# Altium PCB Generic_PCB.PcbDoc (part 2 of 2)
Units mm, origin at the board's own origin, x right, y up, seen from the top; angles counter-clockwise.
Board outline 112.55 x 100 mm, 4 copper layers (Component Side, Ground Plane, Power Plane, Solder Side), stack 0.844 mm thick; 115 components, 86 nets, 591 pads, 337 vias.
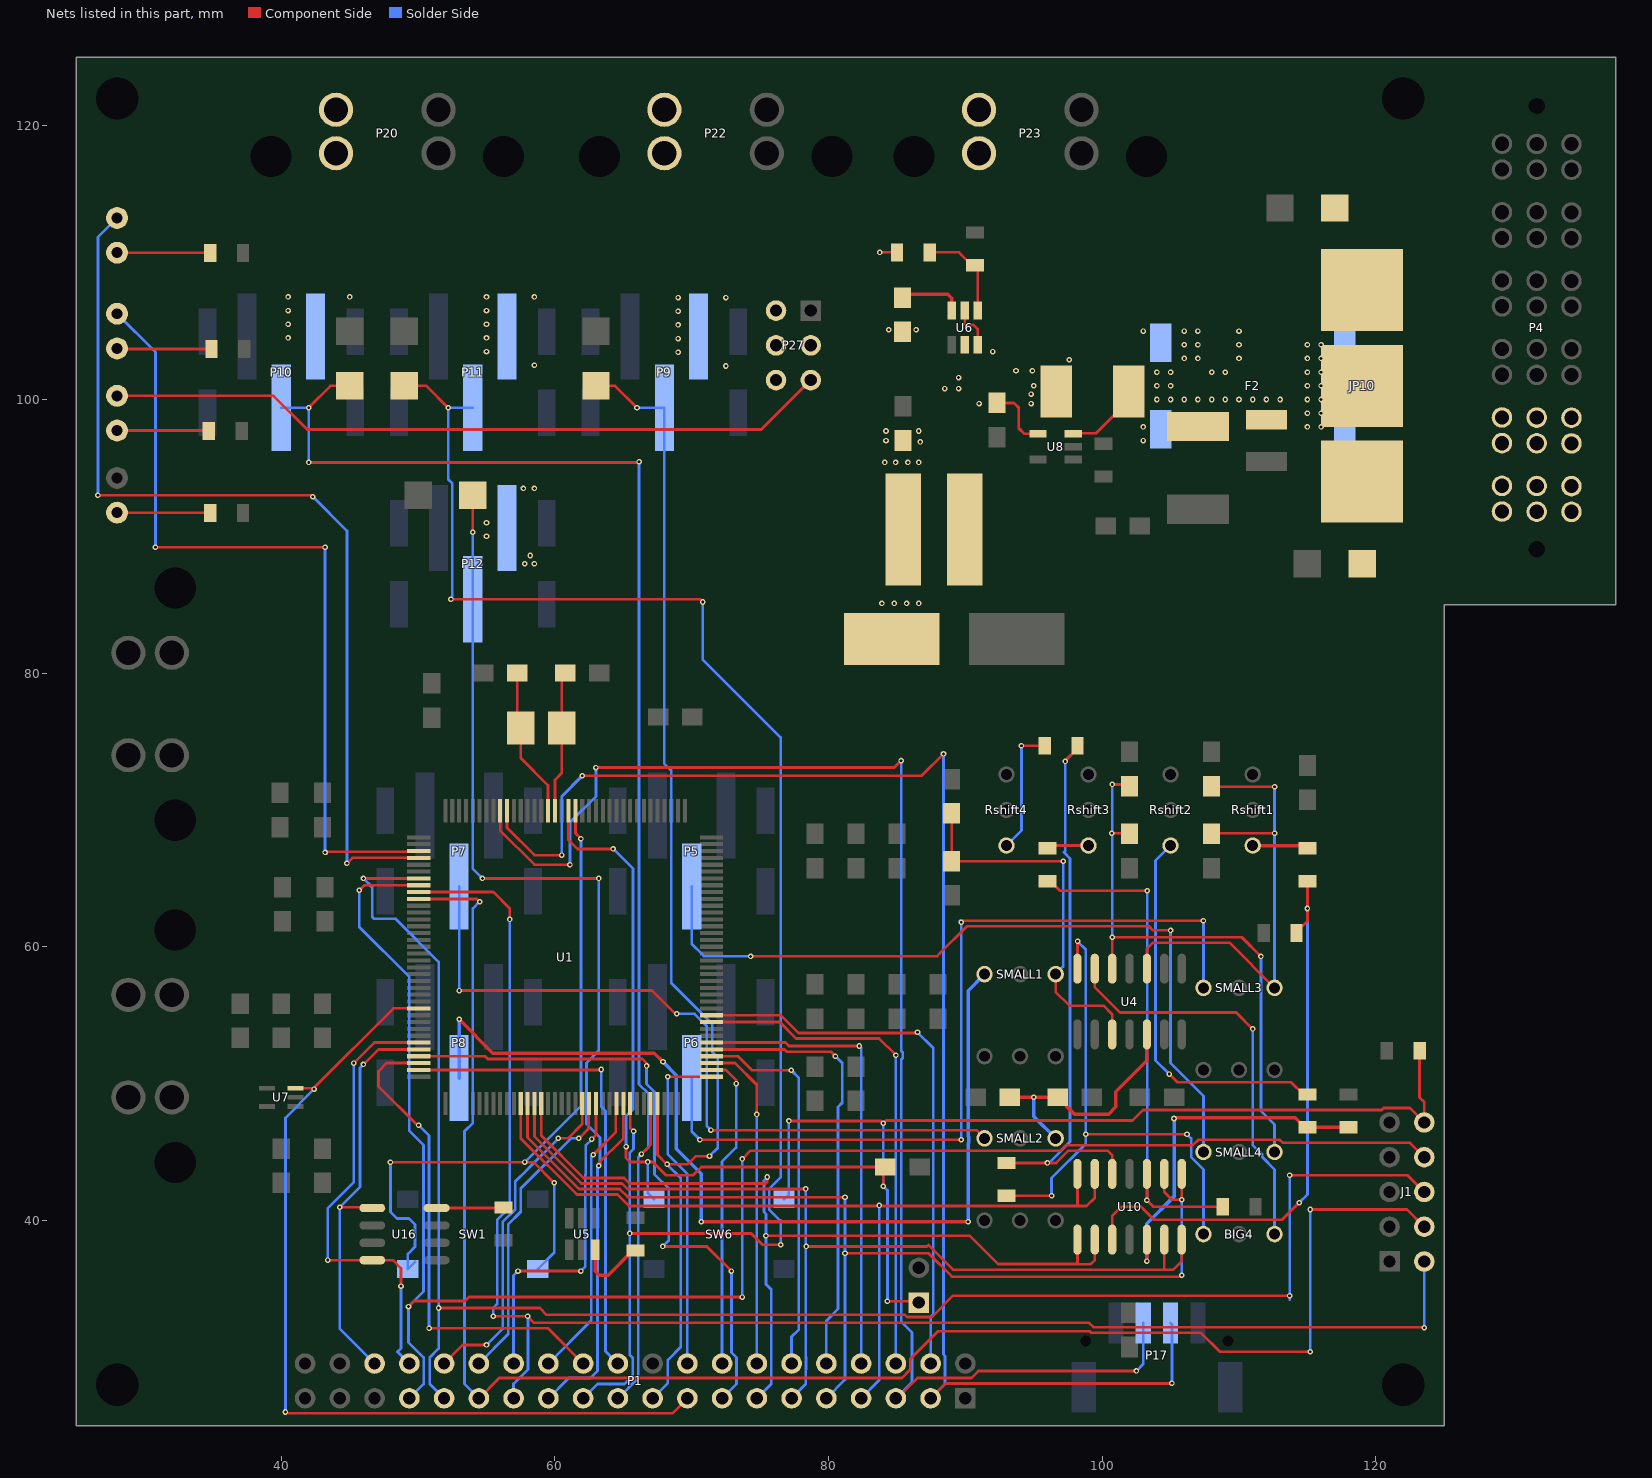
[diagram p4: the nets of this part, all layers, seen from the top]

## Via types
v1: diameter 0.406, hole 0.203, Component Side to Solder Side, 337 vias

## Nets (pads, with @x,y where several pads share a name; then routed paths per layer and width w, separated by ;. In a path a pad name is that pad's centre, name@x,y a point inside that pad or via, vN(x,y) a via of type N, cw(c..) or ccw(c..) an arc to the next point about the centre after c; other vN are vias at no path point) (continued)
NetBIG4_1: BIG4.1 R14.1 U4.14 | length 40.8
  Component Side w0.2: R14.1@92.7,41.8 R14.1@93,41.8 93.1,41.7 93.2,41.8 v1(96.3,41.8) ; U4.14@98.19,58.4 v1@98.19,60.4 ; v1(98.8,46.3) v1(106.2,46.3)
  Solder Side w0.2: v1(96.3,41.8) 96.3,43.1 98.8,45.6 v1(98.8,46.3) 98.8,59.8 v1(98.2,60.4) ; v1(106.2,46.3) 106.5,46 106.5,44.627 107.4,43.727 BIG4.1@107.4,39
NetBIG4_3: BIG4.3 U4.13 | length 29.8
  Component Side w0.2: U4.13@99.46,58.4 99.46,57.04 101.3,55.2 109.8,55.2 v1(111,54)
  Solder Side w0.2: v1(111,54) 111,45.5 111.7,44.8 111.7,44.627 112.6,43.727 BIG4.3@112.6,39
NetC31_2: C31.2 U1.92 Y2.1 | length 10.4
  Component Side w0.2: U1.92@60,69.95 60,72.2 60.5,72.7 Y2.1@60.5,76 60.5,79.75 C31.2@60.75,80
NetC32_2: C32.2 U1.93 Y2.2 | length 11
  Component Side w0.2: C32.2@57.25,80 57.25,76.25 Y2.2@57.5,76 57.5,73.8 59.5,71.8 U1.93@59.5,69.95
NetC200_2: C200.2 C201.2 F2.1 Rsense.2 U8.3 | length 5.7
  Component Side w0.2: U8.3@97.895,97.493 97.895,97.528 99.528,97.528 101.95,99.95 Rsense.2@101.95,100.578
  other v1: 103,97 103,98 104,100 105,100 106,100 107,100 108,100 109,100 110,100 111,100 112,100 113,100 104,101 105,101 104,102 105,102 108,102 109,102 106,103 107,103 110,103 106,104 107,104 110,104 103,105 106,105 107,105 110,105
NetCbst_1: Cbst.1 L1.1 U6.2
  other v1: 88.5,100.8 89.5,100.8 89.5,101.6 84.4,105.1 86.4,105.1
NetCbst_2: Cbst.2 U6.6 | length 4.7
  Component Side w0.254: Cbst.2@85.4,107.455 85.645,107.7 88.7,107.7 89,107.4 U6.6@89,106.51
NetCONN_2: CONN.2 R103.2 | length 6.8
  Component Side w0.2: CONN.2@28,110.73 34.77,110.73 R103.2@34.8,110.7
NetCout_2: Cout.2 F1.1 L1.2 Rfbb.2 | length 1.3
  Component Side w0.2: v1(83.745,110.755) Rfbb.2@85,110.755
  other v1: 83.9,85.1 84.8,85.1 85.7,85.1 86.6,85.1 84.1,95.4 84.9,95.4 85.8,95.4 86.6,95.4 86.7,96.9 84.2,97 84.2,97.7 86.6,97.7
NetD1_1: D1.1 D2.2 SMALL4.3 U4.12 | length 42.3
  Component Side w0.2: v1(100.7,68.3) 101.95,68.3 D2.2@102,68.25 ; U4.12@100.73,58.4 v1(100.73,60.7) 101,60.7 104.789,60.7 104.792,60.697 105.208,60.697 105.211,60.7 110.2,60.7 v1(111.6,59.3) ; v1(100.73,71.87) 101.88,71.87 D1.1@102,71.75
  Solder Side w0.2: v1(100.73,60.7) v1(100.73,71.87) ; v1(111.6,59.3) 111.6,48 112.6,47 SMALL4.3@112.6,45
NetD3_1: D3.1 D4.2 SMALL3.3 U4.10 | length 36.3
  Component Side w0.2: U4.10@103.27,58.4 103.27,59.87 103.7,60.3 104.623,60.3 104.626,60.297 105.374,60.297 105.377,60.3 109.3,60.3 SMALL3.3@112.6,57 ; D4.2@108,68.25 108.05,68.3 v1(112.6,68.3) ; D3.1@108,71.75 108,71.7 111.373,71.7 v1(112.6,71.7)
  Solder Side w0.2: SMALL3.3@112.6,57 v1(112.6,68.3) v1(112.6,71.7)
NetD5_1: D5.1 D6.2 SMALL2.3 U4.5 | length 18.4
  Component Side w0.254: D6.2@93.25,49 v1(95,49) D5.1@96.75,49 97.975,47.775 100.475,47.775 101,48.3 101,49.4 103.27,51.67 U4.5@103.27,53.6
  Solder Side w0.254: v1(95,49) 95,47.6 SMALL2.3@96.6,46
NetD7_1: D7.1 D8.2 SMALL1.3 U4.3 | length 27.7
  Component Side w0.2: D7.1@89,69.75 D8.2@89,66.25 v1(97.15,66.25) ; SMALL1.3@96.6,58 96.6,56.7 97.6,55.7 100.1,55.7 100.73,55.07 U4.3@100.73,53.6
  Solder Side w0.2: SMALL1.3@96.6,58 97.15,58.55 v1(97.15,66.25)
NetF2_2: F2.2 JP10.2
  other v1: 115,98 116,98 115,99 116,99 115,100 116,100 115,101 116,101 115,102 116,102 115,103 116,103 115,104 116,104
NetP5_2: P5.2 SMALL4.1 | length 57.8
  Component Side w0.2: v1(74.3,59.3) 87.911,59.3 88.111,59.5 90.111,61.5 103.4,61.5 103.7,61.2 v1(105,61.2)
  Solder Side w0.2: P5.2@70,64.4 70,60.2 70.7,59.5 70.9,59.3 v1(74.3,59.3) ; v1(105,61.2) 105,51.5 107.4,49.1 SMALL4.1@107.4,45
NetP6_2: P6.2 SMALL3.1 | length 62.5
  Component Side w0.2: v1(70.6,45.9) v1(89.7,45.9) ; v1(89.7,61.8) 89.8,61.9 v1(107.4,61.9)
  Solder Side w0.2: P6.2@70,50.4 70,46.5 v1(70.6,45.9) ; v1@89.6,61.9 v1(89.7,61.8) v1(89.7,45.9) ; SMALL3.1@107.4,57 v1(107.4,61.9)
NetP7_2: P7.2 SMALL2.1 | length 54.7
  Component Side w0.2: v1(53,56.8) 67.1,56.8 v1@68.85,55.05 ; v1(71.4,46.6) 78.889,46.6 78.892,46.597 79.308,46.597 79.311,46.6 83.789,46.6 83.792,46.597 84.208,46.597 84.211,46.6 90.8,46.6 SMALL2.1@91.4,46
  Solder Side w0.2: v1(53,56.8) P7.2@53,64.4 ; v1(68.9,55.1) 70.2,55.1 71.1,54.2 71.1,46.9 v1(71.4,46.6)
NetP8_2: P8.2 SMALL1.1 | length 71.5
  Component Side w0.254: v1(53,54.7) 55.47,52.23 67.27,52.23 v1(67.9,51.6) ; v1(70.7,39.9) v1(90.2,39.9)
  Solder Side w0.254: P8.2@53,50.4 v1(53,54.7) ; v1(67.9,51.6) 68.875,50.625 68.875,45.225 70.7,43.4 v1(70.7,39.9) ; v1(90.2,39.9) 90.2,45.65 90.23,45.68 90.23,46.12 90.2,46.15 90.2,56.8 SMALL1.1@91.4,58
NetPWR_2: PWR.2 R100.1 | length 6.8
  Component Side w0.2: PWR.2@28,91.73 34.77,91.73 R100.1@34.8,91.7
NetR2_2: R2.2 R45.2 U10.10 | length 37.9
  Component Side w0.2: R45.2@96,64.8 96.2,64.8 96.9,64.1 v1(103.3,64.1) ; U10.10@103.27,43.4 v1(103.27,41.47) 103.74,41 R2.2@108.8,41
  Solder Side w0.2: v1(103.27,41.47) 103.3,41.5 v1(103.3,64.1)
NetR4_2: R4.2 R44.2 U10.5 | length 25.9
  Component Side w0.254: v1(103.27,37.03) U10.5@103.27,38.6 ; v1(105.25,47.45) 105.3,47.5 114.1,47.5 114.8,46.8 R44.2@115,46.8 R4.2@118,46.8
  Solder Side w0.254: v1(103.27,37.03) 103.27,39.77 105.25,41.75 v1(105.25,47.45)
NetR9_2: R9.2 R16.2 U10.3 | length 42.5
  Component Side w0.2: U10.3@100.73,38.6 100.73,40.33 101.4,41 102.85,41 103.8,40.05 113.15,40.05 v1(114.4,41.3) ; R9.2@114.2,61 114.2,61.1 115,61.9 v1(115,62.8) R16.2@115,64.8
  Solder Side w0.2: v1(114.4,41.3) 115,41.9 v1(115,62.8)
NetR14_2: R14.2 R46.2 U10.12 | length 41.5
  Component Side w0.2: R14.2@93,44.2 96.638,44.2 97.538,45.1 100.4,45.1 100.73,44.77 U10.12@100.73,43.4 ; v1(97.3,73.55) 97.3,73.6 98.2,74.5 R46.2@98.2,74.7
  Solder Side w0.2: v1@96,44.1 97.653,45.753 97.653,66.458 97.2,66.911 97.3,67.011 v1(97.3,73.55)
  other v1: 96,44.2
NetR16_1: R16.1 Rshift1.3 | length 4.1
  Component Side w0.254: Rshift1.3@111,67.4 114.8,67.4 R16.1@115,67.2
NetR44_1: R44.1 Rshift2.3 | length 28.3
  Component Side w0.2: v1(104.9,50.7) 105.5,50.1 113.8,50.1 114.7,49.2 R44.1@115,49.2
  Solder Side w0.2: v1(104.9,50.7) 103.9,51.7 103.9,66.3 Rshift2.3@105,67.4
NetR45_1: R45.1 Rshift3.3 | length 3.1
  Component Side w0.2: R45.1@96,67.2 96.2,67.4 Rshift3.3@99,67.4
NetR46_1: R46.1 Rshift4.3 | length 9.5
  Component Side w0.2: v1(94.1,74.7) R46.1@95.8,74.7
  Solder Side w0.2: Rshift4.3@93,67.4 94.1,68.5 v1(94.1,74.7)
NetR48_2: R48.2 U5.3 | length 5.4
  Component Side w0.254: U5.3@62.95,37.85 62.95,36.3 63.25,36 63.9,36 65.7,37.8 R48.2@65.9,37.8
NetR101_2: R101.2 VIN.2 | length 6.7
  Component Side w0.2: VIN.2@28,97.73 34.67,97.73 R101.2@34.7,97.7
NetR102_2: R102.2 U16.8 | length 4.9
  Component Side w0.2: U16.8@51.35,40.905 56.205,40.905 R102.2@56.25,40.95
NetR104_2: R104.2 USER.2 | length 6.9
  Component Side w0.2: USER.2@28,103.73 28.03,103.7 R104.2@34.9,103.7
NetRfbb_1: Rfbb.1 Rfbt.2 U6.4 | length 7.1
  Component Side w0.2: Rfbb.1@87.4,110.755 89.545,110.755 90.495,109.805 Rfbt.2@90.7,109.805 90.9,109.605 U6.4@90.9,106.51
PA0/U0RX: P1.18 U1.37 | length 24.8
  Component Side w0.2: v1(68.25,50.5) U1.37@71.45,50.5
  Solder Side w0.2: v1(68.25,50.5) 68.25,44.83 69.68,43.4 P1.18@69.68,29.54
PA1/U0TX: P1.16 U1.38 | length 23.2
  Component Side w0.2: U1.38@71.45,51 72.5,51 73.25,50.25 v1(73.25,50)
  Solder Side w0.2: P1.16@72.22,29.54 72.22,44.3 73.25,45.33 v1(73.25,50)
PA2/SSI0CLK: P1.14 U1.39 | length 24.3
  Component Side w0.2: U1.39@71.45,51.5 73.164,51.5 74.75,49.914 v1(74.75,47.75)
  Solder Side w0.2: P1.14@74.76,29.54 v1@74.76,47.75
PA3/SSI0FSS: P1.12 U1.40 | length 28.2
  Component Side w0.2: U1.40@71.45,52 73.371,52 74.396,50.975 v1(77.275,50.975)
  Solder Side w0.2: v1@77.25,51 v1(77.275,50.975) 77.825,50.425 77.825,32.025 77.3,31.5 P1.12@77.3,29.54
PA4/SSI0RX: P1.10 U1.41 | length 32.4
  Component Side w0.2: U1.41@71.45,52.5 76.784,52.5 76.934,52.35 76.939,52.35 76.961,52.328 80.172,52.328 v1(80.5,52)
  Solder Side w0.2: P1.10@79.84,29.54 79.84,32.666 80.697,33.523 80.697,48.297 81,48.6 81,51.5 v1(80.5,52)
PA5/SSI0TX: P1.8 U1.42 | length 34.2
  Component Side w0.2: U1.42@71.45,53 76.85,53 77.1,52.75 v1(82.25,52.75)
  Solder Side w0.2: v1(82.25,52.75) 82.38,52.62 P1.8@82.38,29.54
PA6/I2C1SCL: P1.6 U1.45 | length 37
  Component Side w0.2: U1.45@71.45,54.5 76.434,54.5 77.634,53.3 83.7,53.3 v1(84.92,52.08)
  Solder Side w0.2: P1.6@84.92,29.54 v1(84.92,52.08)
PA7/I2C1SDA: P1.4 U1.46 | length 40.4
  Component Side w0.2: U1.46@71.45,55 76.5,55 77.8,53.7 86.45,53.7 v1(86.5,53.75)
  Solder Side w0.2: v1(86.5,53.75) 87.65,52.6 87.65,33.126 87.46,32.936 P1.4@87.46,29.54
PB2/I2C0SCL: P1.3 P17.2 U1.99 | length 109.7
  Component Side w0.2: U1.99@56.5,69.95 56.5,68.7 58.5,66.7 v1(60.5,66.7) ; v1(62,72.5) 86.8,72.5 v1(88.4,74.1) ; P1.3@87.46,27 88.55,28.09 105.09,28.09 v1(105.1,28.1)
  Solder Side w0.2: v1(60.5,66.7) 60.5,71 v1(62,72.5) ; P1.3@87.46,27 88.51,28.05 88.51,30.085 88.4,30.195 v1(88.4,74.1) ; P17.2@105,32.5 105.1,32.4 v1(105.1,28.1)
PB3/I2C0SDA: P1.5 P17.3 U1.100 | length 107.9
  Component Side w0.2: U1.100@56,69.95 56,68.5 58.5,66 v1(61.1,66) ; v1(63,73.1) 84.8,73.1 v1(85.3,73.6) ; P1.5@84.92,27 85,27 86.49,28.49 90.435,28.49 90.945,29 v1(102.5,29)
  Solder Side w0.2: v1(61.1,66) 61.1,69.1 63,71 v1(63,73.1) ; P1.5@84.92,27 86.1,28.18 86.1,31.8 85.32,32.58 85.32,51.769 85.423,51.872 85.423,52.288 85.32,52.391 85.32,73.72 85.3,73.74 v1(85.3,73.6) ; v1(102.5,29) 103,29.5 P17.3@103,32.5
PD4/AIN7: P1.15 U1.141 | length 46.8
  Component Side w0.2: U1.141@50.05,52 54.9,52 55.097,51.803 66.397,51.803 66.697,51.503 v1(66.697,51.297) ; v1(67.875,38.1) 71.1,38.1 v1(72.9,36.3)
  Solder Side w0.2: v1(66.697,51.297) 66.697,49.969 67.281,49.384 67.281,43.368 68.325,42.324 68.325,38.55 v1(67.875,38.1) ; P1.15@72.22,27 73.27,28.05 73.27,29.975 72.9,30.345 v1(72.9,36.3)
PD5/AIN6: P1.24 U1.142 | length 35.9
  Component Side w0.2: v1(50.038,46.962) 49.938,46.962 47.1,49.8 47.1,50.9 47.7,51.5 U1.142@50.05,51.5 ; v1(50.8,32.118) 59.482,32.118 P1.24@62.06,29.54
  Solder Side w0.2: v1(50.038,46.962) 50.8,46.2 v1(50.8,32.118)
PD6/AIN5: P1.22 U1.143 | length 35.4
  Component Side w0.2: U1.143@50.05,51 63.4,51 63.394,51.006 v1(63.394,51.032)
  Solder Side w0.2: v1(63.394,51.032) 63.394,48.309 63.7,48.003 63.703,48 63.703,30.437 P1.22@64.6,29.54
PE0/AIN3: P1.13 U1.15 U10.1 U10.2 | length 66
  Component Side w0.2: U1.15@59,48.55 59,46.197 62.097,43.1 65.063,43.1 65.461,42.702 75.402,42.702 75.525,42.825 v1(75.525,43.175) ; v1(75.425,38.875) 90.325,38.875 92.39,36.81 98.19,36.81 ; U10.1@98.19,38.6 98.19,36.81 ; U10.2@99.46,38.6 99.46,37.1 99.16,36.8 98.2,36.8 98.19,36.81
  Solder Side w0.2: P1.13@74.76,27 75.81,28.05 75.81,34.95 75.425,35.335 v1(75.425,38.875) 75.425,40.46 75.275,40.61 75.275,42.925 v1(75.525,43.175)
PE1/AIN2: P1.11 U1.14 U10.6 U10.7 | length 71.9
  Component Side w0.2: U1.14@58.5,48.55 58.5,46.131 61.931,42.7 64.897,42.7 65.297,42.3 65.299,42.302 v1(78.329,42.302) ; v1(78.375,38.1) 80.989,38.1 80.992,38.103 81.408,38.103 81.411,38.1 87.2,38.1 87.3,38.2 89.1,36.4 104.5,36.4 ; U10.6@104.54,38.6 104.54,36.44 104.5,36.4 ; U10.7@105.81,38.6 105.81,37.01 105.2,36.4 104.5,36.4
  Solder Side w0.2: P1.11@77.3,27 78.329,28.029 78.329,29.084 78.35,29.105 78.35,29.996 78.329,30.017 v1(78.329,42.302)
PE2/AIN1: P1.9 U1.13 U10.8 U10.9 | length 78.4
  Component Side w0.2: U1.13@58,48.55 58,46.066 61.766,42.3 64.731,42.3 65.331,41.7 v1(81.2,41.7) ; v1(81.2,37.6) 87.3,37.6 89.01,35.89 105.7,35.89 v1(105.81,36) ; U10.9@104.54,43.4 104.54,42.06 105.09,41.51 v1(105.81,41.51) U10.8@105.81,43.4
  Solder Side w0.2: P1.9@79.84,27 81.2,28.36 v1(81.2,41.7) ; v1(105.81,36) v1(105.81,41.51)
PE3/AIN0: P1.7 U1.12 U10.13 U10.14 | length 65.5
  Component Side w0.2: U1.12@57.5,48.55 57.5,46 61.6,41.9 64.566,41.9 65.416,41.05 98.19,41.05 ; U10.14@98.19,43.4 98.19,41.05 ; U10.13@99.46,43.4 99.46,41.66 98.85,41.05 98.19,41.05
  Solder Side w0.2: P1.7@82.38,27 83.7,28.32 v1(83.7,41.1)
PE4/CAN0RX: P1.34 U1.139 U16.4 | length 33.6
  Component Side w0.2: v1(43.4,37.1) 43.405,37.095 U16.4@46.65,37.095 48.155,37.095 48.75,36.5 v1(48.75,35.2) ; v1(45.3,51.5) 46.8,53 U1.139@50.05,53
  Solder Side w0.2: v1(43.4,37.1) 43.4,40.9 45.3,42.8 v1(45.3,51.5) ; v1(48.75,35.2) 48.75,30.65 48.5,30.4 P1.34@49.36,29.54
PE5/CAN0TX: P1.36 U1.140 U16.1 | length 30.5
  Component Side w0.2: v1(44.28,40.97) 46.585,40.97 U16.1@46.65,40.905 ; v1(46,51.4) 47.1,52.5 U1.140@50.05,52.5
  Solder Side w0.2: v1(46,51.4) 45.75,51.15 45.75,42.44 v1(44.28,40.97) 44.28,32.08 P1.36@46.82,29.54
PE7/AIN20_TEMP: P1.17 U1.134 U7.3 | length 65.5
  Component Side w0.2: 40.5,25.9 68.58,25.9 P1.17@69.68,27 ; U7.3@41.041,49.66 42.36,49.66 48.2,55.5 U1.134@50.05,55.5
  Solder Side w0.2: v1(40.3,26) 40.3,47.5 v1(42.4,49.6)
PH0: D10.2 P1.19 P9.2 U1.32 | length 88.8
  Component Side w0.2: D10.2@63,101 64.4,101 v1(66,99.4) ; U1.32@67.5,48.55 67.5,44.8 v1(68.2,44.1) 69.7,44.1 70.3,44.7 v1(71.3,44.7)
  Solder Side w0.2: v1(66,99.4) P9.2@68,99.4 68,73.374 68.5,72.874 68.5,57.366 71.5,54.366 71.5,52.326 71.903,51.923 71.903,45.303 v1(71.3,44.7) ; P1.19@67.14,27 68.25,28.11 68.25,29.8 69.2,30.75 69.2,43.1 v1(68.2,44.1) v1@68.2,44.2
PH1: D11.2 P1.21 P10.2 U1.31 | length 107.5
  Component Side w0.2: v1(42,95.4) 66.1,95.4 v1(66.15,95.45) ; v1(42,99.4) 43.6,101 D11.2@45,101 ; v1(66.325,44.85) 67,45.525 U1.31@67,48.55
  Solder Side w0.2: P10.2@40,99.4 v1(42,99.4) v1(42,95.4) ; P1.21@64.6,27 66.09,28.49 66.09,44.615 v1(66.325,44.85) 66.825,45.35 66.825,49.275 66.15,49.95 v1(66.15,95.45)
PH2: D12.2 P1.23 P11.2 U1.28 | length 124.3
  Component Side w0.2: D12.2@49,101 50.6,101 v1(52.2,99.4) ; v1(52.4,85.4) 70.6,85.4 v1(70.8,85.2) ; v1(65.475,39.05) 74.35,39.05 75.175,38.225 v1(76.5,38.225) ; U1.28@65.5,48.55 65.5,47.25 65.5,46.775 v1(65.75,46.525) v1@65.775,46.525
  Solder Side w0.2: v1(52.4,85.4) 52.5,85.5 52.5,93.874 52.2,94.174 v1(52.2,99.4) P11.2@54,99.4 ; P1.23@62.06,27 63.11,28.05 65.084,28.05 65.69,28.656 65.69,29.95 65.475,30.165 v1(65.475,39.05) 65.475,44.95 65.75,45.225 v1(65.75,46.525) ; v1(70.8,85.2) 70.8,81 76.5,75.3 76.5,43.149 75.675,42.324 75.675,40.776 76.451,40 76.5,40 v1(76.5,38.225)
PH3: D13.2 P1.25 P12.2 U1.27 | length 83.3
  Component Side w0.2: v1(54,90.3) D13.2@54,93 ; v1(54.7,65) v1(63.2,65) ; v1(63.2,44) 63.2,44.2 65,46 U1.27@65,48.55
  Solder Side w0.2: v1(54,90.3) P12.2@54,85.4 54,65.7 v1(54.7,65) ; P1.25@59.52,27 61.01,28.49 62.605,28.49 63.11,28.995 v1@63.11,44 ; v1(63.2,44) 63.303,44.103 63.303,46.058 62.3,47.061 62.3,51.5 63.2,52.4 v1(63.2,65)
PH4: P1.26 U1.26 | length 21.1
  Component Side w0.2: v1(62.8,44.8) 64.45,46.45 64.45,48.5 U1.26@64.5,48.55
  Solder Side w0.2: P1.26@59.52,29.54 62.65,32.67 62.65,44.65 v1(62.8,44.8)
PH5: P1.28 U1.23 | length 24.2
  Component Side w0.2: v1(57.3,36.3) v1(61.9,36.3) ; v1(62.7,45.95) 63,46.25 U1.23@63,48.55
  Solder Side w0.2: P1.28@56.98,29.54 56.98,35.98 v1(57.3,36.3) ; v1(61.9,36.3) 62.225,36.625 62.225,43.326 62.25,43.351 62.25,45.475 62.7,45.925 v1(62.7,45.95)
PH6: P1.30 U1.22 | length 22.7
  Component Side w0.2: v1(61.75,46) 62.45,46.7 62.45,48.5 U1.22@62.5,48.55
  Solder Side w0.2: P1.30@54.44,29.54 56.58,31.68 56.58,39.711 57.501,40.633 57.501,42.326 61.176,46 v1(61.75,46)
PH7: P1.32 U1.21 | length 24.6
  Component Side w0.2: P1.32@51.9,29.54 53.26,30.9 v1(55,30.9) ; v1(60.25,46) 60.95,46 62,47.05 U1.21@62,48.55
  Solder Side w0.2: v1(55,30.9) 56.18,32.08 56.18,39.877 57.101,40.799 57.101,42.851 57.95,43.7 57.966,43.7 58.2,43.934 58.2,43.95 v1(60.25,46)
Pin1: P20.1 P22.1 P27.3
PK4: CONN.1 U1.112 | length 69.9
  Component Side w0.2: v1(26.6,93) 42.2,93 v1(42.3,92.9) ; v1(44.8,66.1) 45.2,66.5 U1.112@50.05,66.5
  Solder Side w0.2: v1(26.6,93) 26.6,111.87 CONN.1@28,113.27 ; v1(42.3,92.9) 44.8,90.4 v1(44.8,66.1) v1@44.711,66.1
PK5: U1.111 USER.1 | length 60
  Component Side w0.2: v1(30.8,89.2) v1(43.2,89.2) ; v1(43.2,66.9) 43.25,66.95 50,66.95 U1.111@50.05,67
  Solder Side w0.2: USER.1@28,106.27 30.8,103.47 v1(30.8,89.2) ; v1(43.2,89.2) v1(43.2,66.9) v1@43.3,66.8
PM0_SW: SW1.1 U1.89 | length 57
  Component Side w0.2: v1(47.975,44.25) 48.35,44.25 48.361,44.261 v1(57.8,44.261) 58.439,44.261 v1(59.95,42.75) ; U1.89@61.5,69.95 61.5,68.3 v1(61.9,67.9)
  Solder Side w0.2: v1(47.975,44.25) 47.975,40.625 48.45,40.15 49.325,40.15 49.337,40.138 49.343,40.138 49.775,39.706 49.775,38.075 49.25,37.55 SW1.1@49.25,36.45 SW1.1@49.775,36.975 ; v1(57.8,44.261) 61.9,48.361 v1(61.9,67.9) ; SW1.1@58.75,36.45 59.95,37.65 v1(59.95,42.75)
PWM_PWR1: P9.1 P10.1 P11.1 P12.1 P27.2 P27.4 P27.6
  other v1: 57.8,88 58.5,88 58.2,88.6 55,90 55,91 57.7,93.5 58.5,93.5 72.5,102.452 58.5,102.5 69,103.452 55,103.5 69,104.452 40.5,104.5 55,104.5 69,105.452 40.5,105.5 55,105.5 69,106.452 40.5,106.5 55,106.5 69,107.452 72.5,107.452 40.5,107.5 45,107.5 55,107.5 58.5,107.5
T_R\E\S\E\T: C30.2 J1.10 JP1.1 R28.1 SW6.2 U1.90 | length 127.4
  Component Side w0.2: U1.90@61,69.95 61,67.8 61.65,67.15 v1(64.25,67.15) ; v1(65.2,45.4) 65.2,44.575 65.498,44.277 v1(66.778,44.277) 67.148,44.277 68.125,43.3 70.1,43.3 70.7,43.9 C30.2@84.15,43.9 84,43.75 v1(84,42.5) ; v1(77.1,47.275) 83.825,47.275 v1(84,47.1) 84.2,47.3 102.2,47.3 102.975,48.075 120.43,48.075 120.565,48.21 122.49,48.21 J1.10@123.54,47.16 123.54,48.66 123.2,49 R28.1@123.2,52.4 ; v1(84.3,34.1) 86.5,34.1 JP1.1@86.6,34
  Solder Side w0.2: v1(64.25,67.15) 64.274,67.15 65.7,65.724 65.7,48.126 65.2,47.626 v1(65.2,45.4) ; v1(66.778,44.277) 66.778,42.022 SW6.2@67.25,41.55 ; SW6.2@76.75,41.55 77.1,41.9 v1(77.1,47.275) ; v1(84,47.1) v1(84,42.5) 84.3,42.2 v1(84.3,34.1) v1@84.3,34
T_TCK/SWDCLK: J1.4 P1.29 U1.118 | length 124.9
  Component Side w0.2: U1.118@50.05,63.5 54.3,63.5 v1(54.5,63.3) ; P1.29@54.44,27 55.93,28.49 85.355,28.49 85.97,29.105 85.97,29.87 88,31.9 99.09,31.9 99.19,31.8 107.2,31.8 108.6,30.4 v1@115.3,30.4 ; v1(115.2,40.8) 122.28,40.8 J1.4@123.54,39.54
  Solder Side w0.2: P1.29@54.44,27 53.39,28.05 53.39,46.516 54,47.126 54,62.8 v1(54.5,63.3) ; v1(115.2,30.4) v1(115.2,40.8)
T_TDI: J1.8 P1.33 U1.116 | length 130.7
  Component Side w0.2: v1(45.7,64.126) 46.071,64.497 46.208,64.497 46.211,64.5 U1.116@50.05,64.5 ; v1(49.3,33.7) 49.703,34.103 53.419,34.103 53.716,34.4 v1(73.7,34.4) ; v1(73.7,44.5) 74.3,45.1 96.973,45.1 97.373,45.5 106.627,45.5 107.027,45.9 112.973,45.9 113.203,45.67 122.49,45.67 J1.8@123.54,44.62
  Solder Side w0.2: v1(45.7,64.126) 45.7,61.46 49.36,57.8 49.36,46.55 50.4,45.51 50.4,34.8 v1(49.3,33.7) 49.3,31.085 50.41,29.975 50.41,28.05 P1.33@49.36,27 ; v1(73.7,34.4) v1(73.7,44.5)
T_TDO/SWO: J1.6 P1.31 U1.115 | length 128.5
  Component Side w0.2: v1(46,65) U1.115@50.05,65 ; v1(51.5,33.6) 58.9,33.6 59.4,33.1 85.576,33.1 85.726,32.95 87.55,32.95 89.1,34.5 v1(113.7,34.5) ; v1(113.7,43.3) 122.32,43.3 J1.6@123.54,42.08
  Solder Side w0.2: v1(46,65) 46.65,64.35 46.65,62.176 46.776,62.05 48.341,62.05 51.5,58.891 51.5,58.6 51.5,30.625 50.85,29.975 50.85,28.05 P1.31@51.9,27 ; 113.7,34.2 v1(113.7,43.3)
T_TMS/SWDIO: J1.2 P1.27 U1.117 | length 117.1
  Component Side w0.2: U1.117@50.05,64 55.5,64 56.7,62.8 v1(56.7,62) ; v1(55.5,33) v1(58,33) 58.482,32.518 99.038,32.518 99.356,32.2 123.5,32.2 v1(123.54,32.16)
  Solder Side w0.2: v1(55.5,33) 55.5,33.6 55.78,33.88 55.78,40.043 56.7,40.963 v1(56.7,62) ; P1.27@56.98,27 56.98,28.055 58.03,29.105 58.03,32.97 v1(58,33) ; v1(123.54,32.16) J1.2@123.54,37
Vcrit: D14.2 JP10.1 P4.1
Vin: Cin.2 P23.1 P27.5 Rsense.1 U6.3 U6.5 U8.4 VIN.1 | length 61.3
  Component Side w0.2: VIN.1@28,100.27 39.43,100.27 41.9,97.8 75.08,97.8 P27.5@78.7,101.42 ; U6.5@89.95,106.51 89.95,105.55 90.045,105.455 90.6,105.455 90.9,105.155 U6.3@90.9,104 ; Cin.2@92.3,99.753 93.547,99.753 93.9,99.4 93.9,97.9 94.307,97.493 U8.4@95.305,97.493
  other v1: 91,99.7 94.8,99.7 94.8,100.4 95,101 93.7,102.1 94.9,102.1 97.6,102.9 92,103.5
VNC: D15.2 JP10.3 P4.2
pads on no net: J1.3 J1.7 P4.0 P4.3 P5.0 P6.0 P7.0 P8.0 P9.0 P10.0 P11.0 P12.0 P17.0 P19.0 P20.0 P21.0 P22.0 P23.0 U1.1 U1.2 U1.3 U1.4 U1.11 U1.16 U1.17 U1.18 U1.19 U1.20 U1.33 U1.34 U1.35 U1.36 U1.47 U1.48 U1.50 U1.51 U1.52 U1.53 U1.54 U1.55 U1.58 U1.59 U1.60 U1.61 U1.62 U1.63 U1.64 U1.65 U1.68 U1.69 U1.70 U1.71 U1.73 U1.76 U1.80 U1.81 U1.82 U1.83 U1.84 U1.85 U1.86 U1.87 U1.88 U1.95 U1.96 U1.97 U1.98 U1.103 U1.104 U1.105 U1.106 U1.107 U1.108 U1.109 U1.110 U1.119 U1.120 U1.121 U1.122 U1.123 U1.127 U1.128 U1.129 U1.130 U1.131 U1.132 U1.133 U1.135 U1.136 U7.1

## Polygon pours and split planes (outlines as drawn)
+3V3 on Component Side "+3V3_L01_P136" (solid, pour order 136): 96,86 96,80 89,80 89,86
Pin1 on Component Side "PIN1_L01_P114" (solid, pour order 114): 37,125 37,113 77,113 77,103 81,103 81,125
+3V3 on Component Side "+3V3_L01_P106" (solid, pour order 106): 96.1,96.1 96.1,94.6 93.8,94.6 93.8,96.1
GND on Component Side "GND_L01_P104" (solid, pour order 104): 90.4,98.3 90.4,96 101.6,96 101.6,98.3
GND on Component Side "GND_L01_P102" (solid, pour order 102): 89.6,104.805 86.705,104.805 86.703,104 84.1,104 84.1,98.2 88,98.2 88,102 89.5,102 89.5,103 89.6,103.1
NetCout_2 on Component Side "NETCOUT_2_L01_P100" (solid, pour order 100): 89,98.2 89,80.1 83.5,80.1 83.5,98.2
Vin on Component Side "VIN_L01_P096" (solid, pour order 96): 90.5,98.5 90.5,105 91.5,105 91.5,104 98,104 98,98.5
NetCbst_1 on Component Side "NETCBST_1_L01_P094" (solid, pour order 94): 88,86 88,102 90.4,102 90.4,96 92,96 92,86
NetCbst_1 on Component Side "NETCBST_1_L01_P026" (solid, pour order 26): 84.1,106.005 86.7,106.005 86.7,104 84.1,104
NetCbst_1 on Component Side "NETCBST_1_L01_P022" (solid, pour order 22): 89.5,102.905 90.4,102.905 90.4,101 89.5,101
NetCbst_1 on Component Side "NETCBST_1_L01_P014" (solid, pour order 14): 89.6,104.805 90.3,104.805 90.3,100 89.6,100
NetF2_2 on Component Side "NETF2_2_L01_P176" (solid, pour order 176): 114.114,104.83 114.114,96.83 123.114,96.83 123.114,104.83
NetC200_2 on Component Side "NETC200_2_L01_P178" (solid, pour order 178): 114,97 114,106 98,106 98,98.296 98.296,98 102,98 102,95 110,95 110,97
Vcrit on Component Side "VCRIT_L01_P188" (solid, pour order 188): 137.55,95 124,95 124,97 115,97 115,90 117,90 117,85 137.55,85
VNC on Component Side "VNC_L01_P190" (solid, pour order 190): 137.55,95 137.55,115 115,115 115,105 123,105 123,95
GND on Component Side "GND_L01_P194" (solid, pour order 194): 137.55,125 137.55,85 125,85 125,25 25,25 25,125
NetCout_2 on Solder Side "NETCOUT_2_L04_P138" (solid, pour order 138): 86,112 86,106 84,106 84,98 88,98 88,84 83,84 83,112
GND on Solder Side "GND_L04_P130" (solid, pour order 130): 67,108 61,108 61,100 67,100
GND on Solder Side "GND_L04_P128" (solid, pour order 128): 53,108 53,98 47,98 47,108
GND on Solder Side "GND_L04_P126" (solid, pour order 126): 39,108 39,101 33,101 33,108
GND on Solder Side "GND_L04_P124" (solid, pour order 124): 53,94 53,87 47,87 47,94
PWM_PWR1 on Solder Side "PWM_PWR1_L04_P122" (solid, pour order 122): 60,94 60,87 53,87 53,94
PWM_PWR1 on Solder Side "PWM_PWR1_L04_P120" (solid, pour order 120): 74,108 74,101 67,101 67,108
PWM_PWR1 on Solder Side "PWM_PWR1_L04_P118" (solid, pour order 118): 46,108 46,101 39,101 39,108
PWM_PWR1 on Solder Side "PWM_PWR1_L04_P116" (solid, pour order 116): 60,108 60,101 53,101 53,108
NetCbst_1 on Solder Side "NETCBST_1_L04_P112" (solid, pour order 112): 84.1,102.6 84.1,100.2 90.4,100.2 90.4,102.6
NetCbst_1 on Solder Side "NETCBST_1_L04_P110" (solid, pour order 110): 86.7,106 86.7,102.6 84.1,102.6 84.1,106
NetC200_2 on Solder Side "NETC200_2_L04_P180" (solid, pour order 180): 114,106 114,96 102,96 102,106
NetF2_2 on Solder Side "NETF2_2_L04_P186" (solid, pour order 186): 120,106 120,96 114,96 114,106
+3V3 on Solder Side "+3V3_L04_P192" (solid, pour order 192): 137.55,125 25,125 25,25 125,25 125,85 137.55,85
GND on Ground Plane (split plane): 137.04,85.51 125,85.51 124.9,85.501 124.805,85.472 124.716,85.424 124.639,85.361 124.576,85.284 124.528,85.195 124.499,85.1 124.49,85 124.49,25.51 25.51,25.51 25.51,124.49 137.04,124.49
Vin on Power Plane (split plane): 93.871,116.5 93.88,116.45 93.908,116.408 98.371,111.946 98.371,98.629 77.6,98.629 77.6,102.441 90.471,102.441 90.52,102.451 90.562,102.479 90.592,102.508 90.62,102.55 90.629,102.6 90.629,105 90.62,105.05 90.592,105.092 88.629,107.054 88.629,123.371 93.871,123.371
PWM_PWR1 on Power Plane (split plane): 77.341,108.476 77.341,102.7 77.351,102.65 77.361,102.635 77.351,102.62 77.341,102.571 77.341,98.554 76.917,98.129 59,98.129 58.95,98.12 58.908,98.092 58.88,98.05 58.871,98 58.871,86.129 39.129,86.129 39.129,108.871 76.946,108.871
+3V3 on Power Plane (split plane): 137.04,85.51 125,85.51 124.9,85.501 124.805,85.472 124.716,85.424 124.639,85.361 124.576,85.284 124.528,85.195 124.499,85.1 124.49,85 124.49,25.51 25.51,25.51 25.51,124.49 137.04,124.49

## Keep-outs
Keep-Out Layer:
  lines w0.2: 25,25 125,25 125,85 137.55,85 137.55,125 125,125 25,125 25,25

## Other copper
Power Plane (plane layer: these items are gaps in the copper):
  lines w0.254: 77.471,102.7 77.471,108.529 77,109 39,109 39,86 59,86 59,98 76.971,98 77.471,98.5 77.471,102.571 90.471,102.571 90.5,102.6 90.5,105 88.5,107 88.5,123.5 94,123.5 94,116.5 98.5,112 98.5,98.5 90.5,98.5 77.6,98.5

## Silkscreen, mask and mechanical layers (free items; w line width, h text height)
Bottom Overlay:
  text "VIN" at 106,114 h1.25 r270
  text "CAN/PWR" at 121,112 h1.25 r90
  text "PIN1" at 45.6,111.1 h1.25 r180
  text "PIN1" at 69.4,111 h1.25 r180
  text "PWM2" at 58.4,108.9 h1.25
  text "PCONV" at 95.3,103.503 h1.25 r180
  text "PWM1" at 39.6,94.8 h1.25 r180
  text "PWM0" at 67.2,94.6 h1.25 r180
  text "PWM3" at 61,86.1 h1.25 r270
  text "+3V3" at 39.3,75.6 h1.25 r270
  text "AIN0" at 74.3,74.1 h1.25
  text "AIN2" at 55.6,73.9 h1.25
  text "AIN3" at 45.3,56.1 h1.25 r90
  text "AIN1" at 77.4,50.6 h1.25 r270
  text "+3V3" at 39.4,50.5 h1.25 r270
  text "JTAG" at 119.1,41 h1.25 r90
  text "RESET" at 81.4,37.2 h1.25 r270
  text "I2C" at 112,28.3 h1.25 r270

## Text inside footprints (layer, text, board x,y; h text height)
J1: Bottom Overlay "10" at 123.032,48.684 h1.27 r270; Bottom Overlay "9" at 120.492,48.684 h1.27 r270; Bottom Overlay "1" at 120.492,34.968 h1.27 r270; Bottom Overlay "2" at 123.032,34.46 h1.27 r270
P1: Bottom Overlay "1" at 92.54,26.492 h1.27; Bottom Overlay "2" at 92.54,29.032 h1.27; Bottom Overlay "40" at 39.708,29.032 h1.27; Bottom Overlay "39" at 39.708,26.492 h1.27
P27: Bottom Overlay "6" at 76.668,99.896 h1.27 r90; Bottom Overlay "5" at 79.208,99.896 h1.27 r90; Bottom Overlay "2" at 76.668,109.04 h1.27 r90; Bottom Overlay "1" at 79.208,108.532 h1.27 r90